# Altium PCB gpn-badge.PcbDoc (part 2 of 2)
Units mm, origin at the board's own origin, x right, y up, seen from the top; angles counter-clockwise.
Board outline 33.25 x 158.25 mm, 2 copper layers (Top Layer, Bottom Layer), stack 1.571 mm thick; 99 components, 87 nets, 437 pads, 266 vias.
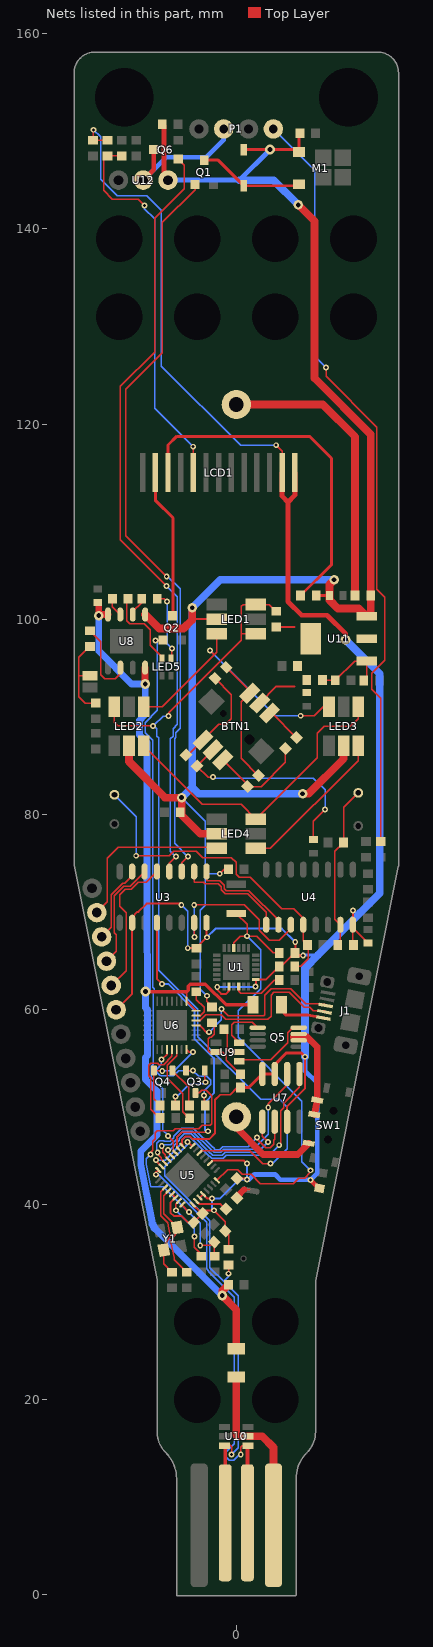
[diagram p2: the nets of this part, all layers, seen from the top]

## Via types
v1: diameter 0.6, hole 0.3, Top Layer to Bottom Layer, 222 vias
v2: diameter 0.5, hole 0.3, Top Layer to Bottom Layer, 33 vias
v3: diameter 1, hole 0.5, Top Layer to Bottom Layer, 11 vias

## Nets (pads, with @x,y where several pads share a name; then routed paths per layer and width w, separated by ;. In a path a pad name is that pad's centre, name@x,y a point inside that pad or via, vN(x,y) a via of type N, cw(c..) or ccw(c..) an arc to the next point about the centre after c; other vN are vias at no path point) (continued)
LATCH: U3.12 U5.18 | length 29.7
  Top Layer w0.2: U3.12@-8.135,68.875 -8.135,63.135 v1(-7.6,62.6) ; U5.18@-5.884,45.652 -6.1,45.868 -6.1,46.9 -5.6,47.4 -3,47.4 v1(-2.9,47.5)
  Bottom Layer w0.2: v1(-7.6,62.6) -7,62.6 -4.3,59.9 -4.3,57 -2.3,55 -2.3,51.4 -3.2,50.5 -3.2,47.6 -2.8,47.6 v1(-2.9,47.5)
LCD_PWM: Q2.1 U5.19 | length 55.5
  Top Layer w0.15: v1(-8.3,97.8) -7.635,97.8 -7.599,97.765 Q2.1@-7.503,97.861 ; v1(-7,47) -6.485,46.485 -6.485,45.546 U5.19@-6.237,45.298
  Bottom Layer w0.15: v1(-8.3,97.8) -8.1,97.6 -8.1,90.654 -9.359,89.394 -9.359,88.37 -8.561,87.572 -8.561,69.944 -8.543,69.926 -8.543,62.24 -8.4,62.097 -8.4,61.905 -8.518,61.787 -8.518,54.363 -8.72,54.162 -8.72,53.043 -7.54,51.864 -7.54,47.622 -7,47.081 v1(-7,47)
LDRSNS: C9.2 R9.1 R13.2 U4.15 | length 16.9
  Top Layer w0.15: R9.1@10.4,66.6 10.675,66.875 U4.15@10.675,68.675 10.1,69.25 10.1,76.2 C9.2@11,77.1 11,80.7 R13.2@12.5,82.2
MPU_CS: BTN2.1 R37.2 U1.22 U5.8 | length 48.9
  Top Layer w0.15: U5.8@-1.995,42.47 -0.902,43.562 0.124,43.562 0.615,43.071 1.512,43.071 2.477,42.106 5.816,42.106 6.416,42.706 6.999,42.706 7.6,43.307 v1(7.6,43.5) ; U1.22@-0.25,66.288 -0.25,66.85 0.4,67.5 v1(1.1,67.5) ; BTN2.1@0,69.825 1.1,68.725 v1(1.1,67.5) ; R37.2@4.407,65.786 3.81,65.786 2.096,67.5 v1(1.1,67.5)
  Bottom Layer w0.15: v1(1.1,67.5) 2.481,66.119 2.481,62.114 0.2,59.833 0.2,57.121 6.719,50.602 6.719,44.381 v1(7.6,43.5)
MQ3: P1.4 R14.2 | length 78.7
  Top Layer w0.15: v1(9.195,125.781) 9.2,125.776 9.2,124.9 14.404,119.696 14.404,117.229 14.4,117.224 14.4,103.06 15.24,102.22 15.24,95.772 13.9,94.432 13.9,92.8 14.8,91.9 R14.2@14.8,77.2
  Bottom Layer w0.15: P1.4@3.79,150.25 8.026,146.014 8.026,126.949 v1(9.195,125.781)
MQ3_EN: Q6.1 U3.4 | length 79.2
  Top Layer w0.15: v1(-7.163,103.403) -11.887,108.128 -11.887,123.85 -8.382,127.356 -8.382,141.097 -5.334,144.145 -5.334,146.553 Q6.1@-5.964,147.183 ; U3.4@-6.865,74.125 -6.865,74.999 v1(-6.198,75.667)
  Bottom Layer w0.15: v1(-7.163,103.403) -6.075,102.316 -6.075,89.2 -6.49,88.785 -6.49,87.999 -6.752,87.738 -6.752,76.221 v1(-6.198,75.667)
NetANT1_1: C14.2 | length 1.5
  Top Layer w0.2: 0.836,41.536 1.372,41.536
  Top Layer w0.635: C14.2@0.166,40.866 0.836,41.536
NetB1_1: B1.1 R34.1 | length 29.8
  Top Layer w0.8: B1.1@0,122 8.861,122 12.179,118.681 R34.1@12.179,102.413
NetB1_2: B1.2 SW1.1 | length 10.2
  Top Layer w0.7: B1.2@0,48.98 0,47.865 2.729,45.136 6.298,45.136 SW1.1@7.439,46.277
NetBTN1_1: BTN1.1 R1.2 R2.1 | length 11
  Top Layer w0.15: R2.1@-5.166,86.066 -4.957,86.066 BTN1.1@-3.408,87.614 -1.822,89.2 -1.1,89.2 -0.5,89.8 -0.5,92.269 R1.2@-2.166,93.934
NetBTN1_2: BTN1.2 R2.2 R7.2 | length 22.1
  Top Layer w0.15: v1(-2.4,83.8) -2.9,83.8 R2.2@-4.034,84.934 -2.397,86.572 BTN1.2@-2.397,86.603 ; R7.2@7.9,77.4 7.9,79.3 v1(9.1,80.5)
  Bottom Layer w0.15: v1(-2.4,83.8) -2.3,83.7 7.9,83.7 9.1,82.5 v1(9.1,80.5)
NetBTN1_3: BTN1.3 R5.2 R6.2 | length 10.1
  Top Layer w0.15: BTN1.3@-1.386,85.592 1.134,83.072 R5.2@1.134,82.834 2.534,82.834 5.034,85.334 R6.2@5.034,86.734
NetBTN1_4: BTN1.4 R1.1 R5.1 | length 13.2
  Top Layer w0.15: R1.1@-1.034,95.066 1.386,92.645 BTN1.4@1.386,92.408 0.5,91.522 0.5,85.731 R5.1@2.266,83.966
NetBTN1_6: BTN1.6 R6.1 | length 3.8
  Top Layer w0.15: BTN1.6@3.408,90.386 3.645,90.386 R6.1@6.166,87.866
NetC5_2: C5.2 U1.10 | length 5.3
  Top Layer w0.15: U1.10@0.25,62.338 0.25,61.85 0.454,61.646 2.546,61.646 3.9,63 C5.2@4.4,63
NetC6_2: C6.2 LCD1.9 R3.2 | length 39.5
  Top Layer w0.15: C6.2@-11.684,147.485 C6.2@-11.735,147.485 R3.2@-13.208,147.485 -13.589,147.104 -13.589,143.942 -12.7,143.053 -10.058,143.053 v1(-9.423,142.418) ; v1(-4.42,117.678) -4.4,117.659 LCD1.9@-4.4,115
  Bottom Layer w0.15: v1(-9.423,142.418) -9.423,142.062 -8.382,141.021 -8.382,121.641 v1(-4.42,117.678)
NetC14_1: C14.1 U5.2 | length 3.2
  Top Layer w0.15: U5.2@-4.116,40.348 U5.2@-3.868,40.1
  Top Layer w0.2: U5.2@-3.868,40.1 -3.818,40.05 -1.65,40.05 -1.434,39.834 C14.1@-1.166,39.834
NetC15_2: C15.2 U5.27 Y1.1 | length 9.7
  Top Layer w0.15: U5.27@-7.298,41.763 -7.747,41.314 -7.747,38.837 -7.053,38.142 -6.771,36.76 -7.239,36.017 -7.214,35.89 Y1.1@-7.443,35.347 -7.443,33.897 C15.2@-6.604,33.058
NetC17_2: C17.2 U6.6 | length 3.4
  Top Layer w0.15: U6.6@-4.129,59.355 -3.713,59.355 -3.3,59.768 -3.3,60.2 -4.1,61 C17.2@-4.1,61.8
NetC19_2: C19.2 U5.28 Y1.3 | length 9.9
  Top Layer w0.15: U5.28@-6.945,41.409 -7.442,40.911 -7.442,39.038 Y1.3@-6.057,37.653 -5.988,37.365 -6.716,36.18 -6.35,34.544 -6.35,34.328 C19.2@-5.08,33.058
NetC28_2: C28.2 R27.1 U9.5 | length 7.8
  Top Layer w0.15: R27.1@-2.388,58.661 -2.269,58.543 -2.269,57.441 -2.584,57.126 -2.732,57.126 -2.864,56.994 -2.864,55.772 -2.718,55.626 U9.5@-2.089,55.626 -1.397,55.626 -1.016,55.245 -1.016,54.762 0.406,53.34 C28.2@0.419,53.34
NetC32_2: C32.2 R32.2 R33.2 U11.1 | length 7.5
  Top Layer w0.15: R32.2@8.826,93.751 10.122,93.751 C32.2@10.147,93.726 12.121,95.7 U11.1@13.35,95.7 13.35,93.982 R33.2@13.068,93.701
NetD1_1: D1.1 M1.2 Q1.3 | length 10.8
  Top Layer w0.3: Q1.3@-3.277,147.046 -1.855,147.046 D1.1@0.762,144.429 6.276,144.429 M1.2@6.426,144.579
NetJ1_1: J1.1 R26.1 | length 4.4
  Top Layer w0.3: R26.1@4.676,59.817 5.057,59.436 7.366,59.436 J1.1@8.916,59.11
NetJ2_1: pad.8@-15,94.2 R28.1 R29.2 | length 8.6
  Top Layer w0.15: pad.8@-15,94.2 -16.129,94.2 ; R28.1@-15,97.2 -16.129,96.071 -16.129,94.2 ; R29.2@-14.6,91.4 -15.5,91.4 -16.129,92.029 -16.129,94.2
NetLCD1_11: LCD1.11 R4.1 | length 36.3
  Top Layer w0.3: LCD1.11@-7,115 -7,117.841 -6.096,118.745 7.493,118.745 9.754,116.484 9.754,105.575 R4.1@6.591,102.413
NetLCD1_12: LCD1.12 Q2.3 | length 15.4
  Top Layer w0.3: LCD1.12@-8.3,115 -8.3,112.186 -6.5,110.386 -6.5,100.414 Q2.3@-6.553,100.361
NetLED1_3: LED1.3 LED2.4 LED3.6 | length 27.7
  Top Layer w0.15: LED2.4@-9.5,91 -7.6,91 -2.2,96.4 ; v1(-2.7,96.8) -2.3,96.4 -2.2,96.4 ; LED1.3@-2,98.5 -2,96.6 -2.2,96.4 ; v1(6.6,90.1) 8,90.1 8.9,91 LED3.6@9.5,91
  Bottom Layer w0.15: v1(-2.7,96.8) 4,90.1 v1(6.6,90.1)
NetLED2_3: LED2.3 LED3.4 LED4.6 | length 32
  Top Layer w0.15: LED2.3@-9.5,87 -3.5,81 0.5,81 LED4.6@2,79.5 8.3,85.8 8.3,88.3 9,89 11.7,89 12.5,89.8 LED3.4@12.5,91
NetLED3_3: LED3.3 LED4.4 | length 15.7
  Top Layer w0.15: LED4.4@2,76.5 3.5,76.5 12.5,85.5 LED3.3@12.5,87
NetLED5_1: LED5.1 R35.1 | length 8.6
  Top Layer w0.15: R35.1@-11.1,102.1 -11.252,101.948 -11.252,99.852 -10.925,99.525 -9.425,99.525 -8.825,98.925 -8.825,97.313 -7.6,96.088 LED5.1@-7.6,96
NetLED5_3: LED5.3 R36.1 | length 7.2
  Top Layer w0.15: R36.1@-8.1,102.1 -7.4,102.1 v1(-7.1,101.8) ; LED5.3@-6.7,96 -6.6,96.1 v1(-6.6,97)
  Bottom Layer w0.15: v1(-7.1,101.8) -7.1,97.5 v1(-6.6,97)
NetP1_2: P1.2 Q6.3 U12.2 | length 14.9
  Top Layer w0.5: U12.2@-9.54,145 -8.464,146.076 Q6.3@-8.464,148.133
  Bottom Layer w0.5: U12.2@-9.54,145 -7.195,147.345 -3.073,147.345 -1.29,149.129 P1.2@-1.29,150.25 P1.2@-1.29,150.5
NetQ3_1: Q3.1 R15.2 | length 6.3
  Top Layer w0.15: R15.2@-6.312,49.911 -6.312,50.089 -6.045,50.356 -6.248,50.559 v1(-6.248,51.079) ; Q3.1@-3.241,53.728 -3.241,52.619 v1(-3.15,52.527)
  Bottom Layer w0.15: v1(-6.248,51.079) -6.071,51.079 -4.775,52.375 -3.302,52.375 v1(-3.15,52.527)
NetQ3_2: Q3.2 R16.1 U6.24 | length 12.9
  Top Layer w0.15: v1(-7.671,54.864) -7.645,54.864 -7.104,55.405 U6.24@-7.104,55.88 ; Q3.2@-5.141,53.728 -5.134,53.721 v1(-4.445,53.721) ; v1(-3.302,51.181) -3.264,51.143 R16.1@-3.264,49.911
  Bottom Layer w0.15: v1(-7.671,54.864) -7.671,54.362 -8.12,53.913 -8.12,53.478 -7.812,53.171 -6.476,53.171 -5.926,53.721 v1(-4.445,53.721) -3.861,53.137 -3.017,53.137 -2.625,52.745 -2.625,52.31 -3.302,51.632 v1(-3.302,51.181)
NetQ4_1: Q4.1 R16.2 | length 4.5
  Top Layer w0.15: Q4.1@-6.543,53.728 -4.864,52.049 R16.2@-4.864,49.911
NetQ4_2: Q4.2 R15.1 U6.28 | length 9.6
  Top Layer w0.15: R15.1@-7.912,49.911 -7.912,50.279 -8.443,50.81 Q4.2@-8.443,53.728 -7.627,53.728 v1(-7.595,53.696) ; U6.28@-5.104,55.88 -4.85,55.626 v1(-4.445,55.626)
  Bottom Layer w0.15: v1(-7.595,53.696) -6.375,53.696 v1(-4.445,55.626)
NetQ5_2: Q5.2 Q5.3 SW1.2 SW1.3 | length 9.8
  Top Layer w0.7: 5.842,57.175 7.264,57.175 8.298,56.142 SW1.3@8.298,50.694 SW1.2@8.011,49.221
NetQ5_4: Q5.4 U9.1 | length 8.9
  Top Layer w0.15: U9.1@-0.173,54.824 U9.1@0.311,54.824 ; U9.1@0.311,54.676 U9.1@0.311,54.824 ; U9.1@0.527,54.824 U9.1@0.311,54.824 ; Q5.4@6.393,58.125 5.781,58.125 5.267,57.611 5.267,56.575 3.544,54.852 0.311,54.852 U9.1@0.311,54.824
NetQ5_5: Q5.5 U9.3 | length 5.2
  Top Layer w0.15: U9.3@0.311,56.576 -0.457,57.344 -0.457,58.431 -0.2,58.688 1.63,58.688 Q5.5@2.193,58.125
NetR17_1: R17.1 U6.26 | length 8.7
  Top Layer w0.15: U6.26@-6.104,55.88 -6.104,55.241 -7.068,54.277 -7.068,52.921 -5.486,51.339 -5.486,49.479 -4.864,48.857 R17.1@-4.864,48.469
NetR18_1: R18.1 U6.25 | length 9.8
  Top Layer w0.15: R18.1@-7.887,48.489 -7.887,48.908 -8.763,49.784 -8.763,52.974 -8.968,53.179 -8.968,54.277 -8.792,54.453 -8.078,54.453 -7.964,54.339 -7.453,54.339 -6.604,55.188 U6.25@-6.604,55.88
NetR19_1: R19.1 U5.31 | length 6.9
  Top Layer w0.15: v1(-6.2,39.4) -6.2,40.032 U5.31@-5.884,40.348 ; v1(-4.3,36.7) -4.3,35.618 -3.6,34.918 R19.1@-3.6,34.7
  Bottom Layer w0.15: v1(-6.2,39.4) -4.3,37.5 v1(-4.3,36.7)
NetR28_2: R28.2 U8.2 | length 8
  Top Layer w0.15: R28.2@-15,98.8 -13.9,97.7 -13.9,94.3 -13.5,93.9 -12.4,93.9 -11.885,94.415 U8.2@-11.885,95.025
NetR30_2: R30.2 U9.2 | length 3.6
  Top Layer w0.15: R30.2@-0.927,58.166 -0.927,55.918 -0.635,55.626 U9.2@0.311,55.626
NetR31_1: pad.4@3.81,7.112 R31.1 U10.5 | length 18.3
  Top Layer w0.8: R31.1@0,22.3 0,16.356 0.125,16.231 U10.5@1.2,16.231 2.667,16.231 3.81,15.088 pad.4@3.81,7.112
NetR35_2: R35.2 U8.7 | length 2
  Top Layer w0.15: R35.2@-12.7,102.1 -12.7,101.29 U8.7@-11.885,100.475
NetR36_2: R36.2 U8.6 | length 2
  Top Layer w0.15: U8.6@-10.615,100.475 -10.615,100.785 -9.7,101.7 R36.2@-9.7,102.1
NetU3_1: U3.1 U4.10 | length 10.6
  Top Layer w0.15: U3.1@-3.055,74.125 -3.055,73.19 -1.716,73.19 -1.232,72.706 -1.232,72.364 -1.017,72.148 1.294,72.148 4.325,69.117 U4.10@4.325,68.675
NetU3_2: U3.2 U4.9 | length 11.2
  Top Layer w0.15: U3.2@-4.325,74.125 -4.325,73.059 -4.285,73.02 -3.345,73.02 -3.215,72.89 -1.84,72.89 -1.532,72.582 -1.532,72.24 -1.141,71.848 1.169,71.848 3.055,69.962 U4.9@3.055,68.675
NetU3_15: U3.15 U4.11 | length 17.7
  Top Layer w0.15: U3.15@-4.325,68.875 -4.3,68.85 v1(-4.3,67.4) ; v1(-4.318,70.714) 0.804,70.714 2.337,69.181 2.337,68.115 3.352,67.1 4.413,67.1 5.595,68.282 U4.11@5.595,68.675
  Bottom Layer w0.15: v1(-4.318,70.714) -4.3,70.696 v1(-4.3,67.4)
NetU5_20: U5.20 U7.1 | length 15.6
  Top Layer w0.15: v1(-7.01,45.568) -7.01,45.364 U5.20@-6.591,44.945 ; U7.1@2.667,48.477 2.667,46.99 v1(3.251,46.406)
  Bottom Layer w0.15: v1(-7.01,45.568) -6.841,45.568 -5.825,46.584 -5.825,46.742 -5.342,47.225 -4.64,47.225 -2.667,45.252 -2.621,45.252 -2.396,45.027 -1.464,45.027 -1.158,45.333 2.179,45.333 v1(3.251,46.406)
NetU5_21: U5.21 U7.6 | length 22
  Top Layer w0.15: v1(-7.645,45.999) -7.535,45.889 -7.535,45.35 -7.26,45.074 -7.26,44.906 -7.193,44.84 U5.21@-6.945,44.591 ; v1(3.277,49.936) 3.277,50.343 5.207,52.273 U7.6@5.207,53.377
  Bottom Layer w0.15: v1(-7.645,45.999) -7.55,46.095 -6.739,46.095 -6.125,46.708 -6.125,46.866 -5.466,47.525 -4.516,47.525 -2.543,45.552 -2.497,45.552 -2.272,45.327 -1.589,45.327 -1.282,45.633 1.717,45.633 3.277,47.193 v1(3.277,49.936)
NetU5_22: U5.22 U7.2 | length 19.9
  Top Layer w0.15: v1(-8.06,45.327) -8.06,45.077 -8.012,45.077 -7.705,44.769 -7.705,44.644 U5.22@-7.298,44.237 ; v1(2.134,46.863) 2.134,46.66 2.997,45.796 3.48,45.796 3.835,46.152 3.835,46.584 3.937,46.685 U7.2@3.937,48.477
  Bottom Layer w0.15: v1@-7.942,45.446 v1(-8.06,45.327) -8.17,45.437 -8.17,46.248 -7.894,46.524 -7.428,46.524 -7.378,46.475 -6.783,46.475 -6.425,46.832 -6.425,46.99 -5.59,47.825 -4.392,47.825 -2.419,45.852 -2.373,45.852 -2.148,45.627 -1.713,45.627 -1.407,45.933 1.204,45.933 v1(2.134,46.863)
NetU5_23: U5.23 U7.5 | length 24.5
  Top Layer w0.15: v1(-8.23,44.552) -8.319,44.552 U5.23@-7.652,43.884 ; v1(4.394,46.076) 4.572,46.253 4.572,49.606 4.877,49.911 4.877,50.394 6.477,51.994 U7.5@6.477,53.377
  Bottom Layer w0.15: v1(-8.23,44.552) -7.284,44.552 -5.525,46.311 -5.525,46.617 -5.217,46.925 -4.765,46.925 -2.791,44.952 -2.746,44.952 -2.521,44.727 -1.34,44.727 -1.034,45.033 3.352,45.033 v1(4.394,46.076)
NRST: C25.2 Q3.3 R24.2 U5.32 | length 30
  Top Layer w0.15: v1(-8.814,45.11) -8.814,45.316 -8.582,45.548 -8.582,46.46 -8.311,46.731 -8.311,47.341 -8.107,47.545 -6.489,47.545 -6.256,47.777 -3.835,47.777 -3.502,48.11 -2.648,48.11 -2.509,48.249 -2.509,51.131 -3.085,51.706 -3.519,51.706 -3.797,51.428 Q3.3@-4.191,51.428 ; U5.32@-5.53,39.995 -5.53,39.897 v1(-4.851,39.218) ; v1(-3.7,35.8) -2.6,35.8 R24.2@-2.266,36.134 -2.266,34.766 C25.2@-2.2,34.7
  Bottom Layer w0.15: v1(-8.814,45.11) -9.222,44.702 -9.222,44.12 -8.763,41.834 -7.468,41.834 v1(-4.851,39.218) -3.7,38.066 v1(-3.7,35.8)
NTCSNS: C10.2 R10.1 R11.2 U4.12 | length 34.1
  Top Layer w0.15: v1(-10.262,75.743) -6.864,75.743 -6.415,76.192 -4.092,76.192 -3.465,75.565 -0.508,75.565 0,75.057 0,73.838 0.305,73.533 1.405,73.533 4.638,70.3 5.9,70.3 6.865,69.335 U4.12@6.865,68.675 6.865,67.035 C10.2@7.3,66.6 7.383,66.517 7.383,65.193 6.59,64.4 R10.1@6,64.4
  Bottom Layer w0.15: R11.2@-12.5,82 -10.262,79.762 v1(-10.262,75.743)
OUT1: pad.1@-12.815,62.448 U3.5 | length 15
  Top Layer w0.15: pad.1@-12.815,62.448 -11.303,63.96 -11.303,69.926 -11.963,70.587 -11.963,71.755 -11.405,72.314 -10.772,72.314 -10.066,73.02 -9.232,73.02 -8.855,73.397 -8.855,73.405 U3.5@-8.135,74.125
OUT2: pad.1@-13.309,64.939 U3.6 | length 11.4
  Top Layer w0.15: pad.1@-13.309,64.939 -12.3,65.948 -12.3,67.661 -12.495,67.856 -12.495,71.648 -11.529,72.614 -10.896,72.614 -9.385,74.125 U3.6@-9.405,74.125
OUT3: pad.1@-13.802,67.431 U3.7 | length 8.1
  Top Layer w0.15: pad.1@-13.802,67.431 -12.795,68.438 -12.795,71.772 -11.653,72.914 -11.456,72.914 -10.675,73.695 U3.7@-10.675,74.125
SER_N: J1.2 U6.5 | length 16.9
  Top Layer w0.15: U6.5@-4.129,58.855 -3.731,58.855 -3.15,59.436 -1.54,59.436 -1.54,59.426 -1.093,58.979 -0.465,58.979 -0.456,58.988 3.235,58.988 3.556,59.309 3.556,61.468 3.841,61.753 5.443,61.753 6.967,60.229 7.513,60.229 7.903,59.839 9.04,59.839 J1.2@9.04,59.748
SER_P: J1.3 U6.4 | length 18.9
  Top Layer w0.15: U6.4@-4.129,58.355 -3.745,58.355 -2.861,57.471 -2.812,57.471 -2.794,57.488 v1(-2.794,57.658) ; v1(-1.524,60.046) -0.805,59.327 2.812,59.327 2.921,59.436 2.921,61.468 3.556,62.103 5.588,62.103 7.112,60.579 8.673,60.579 8.673,60.498 9.053,60.498 J1.3@9.164,60.386
  Bottom Layer w0.15: v1(-2.794,57.658) -1.524,58.928 v1(-1.524,60.046)
USB_N: pad.2 R20.1 U5.16 U10.3 | length 48.4
  Top Layer w0.15: v1(-5,46.4) -4.947,46.4 -4.552,46.005 U5.16@-4.47,46.005 ; U10.3@-1.143,15.291 -0.635,15.291 -0.483,15.138 v1(-0.483,14.376) ; v1(-0.8,32.9) R20.1@-0.8,33.8
  Top Layer w0.381: pad.2@-1.143,7.366 U10.3@-1.143,15.291
  Bottom Layer w0.15: v1(-5,46.4) -5,46.199 -4.978,46.177 -7.315,43.84 -7.315,42.919 -2.7,38.304 -2.7,33.536 -1.3,32.136 ; v1(-0.8,32.9) -0.8,32.636 -1.3,32.136 ; v1(-0.483,14.376) 0.203,15.062 0.203,30.632 -1.3,32.136
USB_P: pad.3 U5.24 U10.4 | length 45
  Top Layer w0.15: v1(-8.237,43.051) -8.237,43.185 -8.294,43.241 U5.24@-8.005,43.53 ; v1(0.457,14.376) 0.457,15.113 0.61,15.265 U10.4@1.143,15.265
  Top Layer w0.381: pad.3@1.143,7.366 U10.4@1.143,15.265
  Bottom Layer w0.15: v1(-8.237,43.051) -8.237,42.87 -7.999,43.108 -3.05,38.159 -3.05,33.391 -2.8,33.141 -2.8,33.102 -0.203,30.505 -0.203,15.469 -1.058,14.615 -1.058,14.138 -0.721,13.801 -0.244,13.801 0.331,14.376 v1(0.457,14.376)
VBAT: C1.2 C27.2 C29.2 C30.2 D1.2 LED1.2 LED2.2 LED3.2 LED4.2 M1.1 R4.2 R12.2 R27.2 R34.2 U8.5 U11.3 U12.1 | length 190.5
  Top Layer w0.15: v1(-3.023,61.392) -3.023,60.823 -2.461,60.261 R27.2@-2.362,60.261 ; v1(-1.7,73.9) -1.229,74.371 R12.2@-0.8,74.371
  Top Layer w0.2: -4.521,99.924 -4.445,100 LED1.2@-2,100
  Top Layer w0.3: D1.2@0.762,148.129 6.176,148.129 M1.1@6.426,147.879 6.426,149.72 C29.2@6.515,149.809 ; R4.2@8.191,102.413 9.449,102.413 C27.2@9.55,102.514
  Top Layer w0.5: C30.2@-7.582,150.724 -7.417,150.559 -7.417,145.417 U12.1@-7,145
  Top Layer w0.8: LED2.2@-11,87 -11,85.4 -7.3,81.7 v3(-5.6,81.7) -5.6,79.9 -3.7,78 LED4.2@-2,78 ; U8.5@-9.345,100.475 -7.905,99.035 -5.41,99.035 -4.521,99.924 v3(-4.521,101.168) ; v3(6.35,142.469) 8.026,140.792 8.026,124.689 13.779,118.936 13.779,117.488 13.775,117.483 13.775,102.417 R34.2@13.779,102.413 13.779,100.729 U11.3@13.35,100.3 12.558,101.092 10.414,101.092 9.55,101.956 9.55,102.514 9.55,103.556 v3(10.033,104.038) ; v3(6.8,82.1) 7.4,82.1 11,85.7 LED3.2@11,87
  Bottom Layer w0.15: v3(-5.6,81.7) -3.2,79.3 -3.2,73.9 ; v1(-3.023,61.392) -3.695,62.064 -3.695,70.18 -3.2,70.675 -3.2,73.9 ; v1(-1.7,73.9) -3.2,73.9
  Bottom Layer w0.5: U12.1@-7,145 0.322,145 v3(3.454,148.133)
  Bottom Layer w0.8: v3(-5.6,81.7) -4.521,82.779 ; 0.322,145 3.819,145 v3(6.35,142.469) ; v3(6.8,82.1) -3.842,82.1 -4.521,82.779 ; v3(10.033,104.038) -1.651,104.038 v3(-4.521,101.168) -4.521,82.779
VBUS: C16.2 C26.2 R26.2 R31.2 U6.7 U6.8 U8.4 U8.8 | length 103.9
  Top Layer w0.15: -5.182,61.824 -5.131,61.773 -5.104,61.746 U6.8@-5.104,60.83 U6.7@-4.129,59.855
  Top Layer w0.35: v3(-9.296,61.824) -5.182,61.824 ; -5.131,61.773 -4.925,61.979 -4.925,62.385 -4.735,62.575 -3.17,62.575 -1.047,60.452 R26.2@1.725,60.452
  Top Layer w0.7: C26.2@-14.2,101.7 -14.097,101.597 v3(-14.097,100.355) -13.977,100.475 U8.8@-13.155,100.475 ; U8.4@-9.345,95.025 -9.345,93.368 v3(-9.334,93.358)
  Top Layer w0.8: C16.2@-0.8,31.775 -1.448,31.128 v3(-1.448,30.658) 0,29.21 R31.2@0,25.2
  Bottom Layer w0.7: v3(-14.097,100.355) -14.097,96.723 -10.731,93.358 v3(-9.334,93.358) -9.334,90.232 -9.934,89.632 -9.934,88.132 -9.148,87.346 -9.148,69.513 -9.12,62.002 v3(-9.296,61.824) -9.296,60.172 -9.094,59.969 -9.094,59.367 -9.093,55.262 -9.295,55.059 -9.295,52.805 -8.115,51.626 -8.115,47.116 -9.804,45.427 -9.804,44.094 -8.585,37.998 ; -8.382,37.592 v3(-1.448,30.658)
  Bottom Layer w0.8: -8.585,37.998 -8.382,37.592
VDD3: BTN1.5 C12.2 C13.2 C18.2 C20.2 C21.2 C22.2 C23.2 C33.2 LCD1.1 LCD1.2 pad.1@-12.322,59.956 R3.1 R9.2 R10.2 R20.2 R21.1 R22.1 R23.1 R24.1 R32.1 R37.1 U1.8 U1.13 U3.10 U3.16 U4.16 U5.1 U5.3 U5.4 U5.11 U5.17 U5.29 U5.30 U7.3 U7.7 U7.8 U11.2 U11.4 | length 260.9
  Top Layer w0.15: R21.1@-14.681,149.085 R21.1@-14.656,149.111 ; v1(-14.656,150.165) R21.1@-14.656,149.111 ; R3.1@-13.208,149.085 -14.63,149.085 R21.1@-14.656,149.111 ; R24.1@-1.134,37.266 -0.8,36.931 R20.2@-0.8,35.4 ; v1(4.089,117.831) 4.7,117.22 LCD1.2@4.7,115 ; R10.2@4.4,64.4 R10.2@4.621,64.4 ; U4.16@11.945,68.356 11.945,66.655 R9.2@12,66.6
  Top Layer w0.2: pad.1@-12.322,59.956 -10.675,61.603 U3.10@-10.675,68.875 -10.675,69.446 -10.135,69.986 -10.034,69.986 -9.188,70.832 -5.757,70.832 v1(-5.639,70.714) ; U5.29@-6.591,41.055 U5.30@-6.237,40.702 -6.75,40.189 -6.75,39.172 -6.378,38.8 -5.6,38.8 -4.966,38.166 C22.2@-4.366,38.166 -3.6,38.931 C20.2@-3.6,39.066 ; U5.17@-5.53,46.005 -5.528,46.007 -5.528,46.151 -5.55,46.172 -5.55,46.637 -5.206,46.981 -4.751,46.981 -4.471,46.702 -2.769,46.702 -2.184,47.286 -2.184,50.724 -1.664,51.244 -0.627,51.244 0.123,51.994 C23.2@0.419,51.994 ; v1(-4.978,66.269) -4.14,66.269 v1(-3.023,67.386) -3.055,67.419 U3.16@-3.055,68.875 ; U5.1@-4.47,39.995 C20.2@-3.6,39.125 ; U5.3@-3.763,40.702 U5.4@-3.409,41.055 -2.954,40.6 v1(-2.5,40.6) ; C20.2@-3.466,39.066 -3.131,39.4 v1(-2.3,39.4) -1.134,38.234 R24.1@-1.134,37.266 ; U5.11@-2.702,44.237 -2.439,44.5 0.788,44.5 v1(1.092,44.196) ; v1(-1.956,62.281) -1.956,62.001 -1.549,61.595 -1.039,61.595 -0.75,61.884 U1.8@-0.75,62.338 ; R23.1@0.066,42.666 0.972,42.666 v1(1.092,42.545) ; v1(1.956,62.332) 2,62.376 U1.13@2,63.063 3.063,63.063 R10.2@4.4,64.4 ; BTN1.5@2.397,91.397 4.1,93.1 5.985,93.1 ; R22.1@4.1,99.2 5.981,99.2 ; R10.2@4.621,64.4 R37.1@6.007,65.786 6.045,65.824 v1(6.045,66.904) ; U7.3@5.207,48.477 5.207,50.063 7.061,51.918 7.061,55.118 v1(7.036,55.143) ; v1(11.963,70.129) 11.963,68.693 U4.16@11.945,68.675 11.945,68.356 C21.2@13.513,66.788
  Top Layer w0.3: C23.2@0.419,51.994 1.284,51.994 U7.8@2.667,53.377 U7.7@3.937,53.377 3.937,54.331 5.147,55.54 6.639,55.54 v1(7.036,55.143) ; R37.1@6.261,65.532 v1(6.858,65.532)
  Top Layer w0.5: LCD1.2@4.7,115 4.7,112.6 5.3,112 ; LCD1.1@6,115 6,112.7 5.3,112 ; R37.1@6.007,65.786 R37.1@6.261,65.532 ; v1(7.595,42.52) 8.456,41.658 C13.2@8.534,41.658 ; v3(11.2,97.9) 11.2,98.5 9.3,100.4 6.7,100.4 5.3,101.8 5.3,112
  Bottom Layer w0.15: v1(-14.656,150.165) -13.919,149.428 -13.919,145.107 -12.216,143.404 -9.172,143.404 -7.676,141.907 -7.676,125.938 0.432,117.831 v1(4.089,117.831)
  Bottom Layer w0.2: v1(-5.639,70.714) -4.978,70.053 v1(-4.978,66.269) ; v1(-3.023,67.386) -2.134,68.275 4.674,68.275 v1(6.045,66.904) ; v1(-2.3,39.4) -2.5,39.6 v1(-2.5,40.6) -1.7,40.6 0.245,42.545 v1(1.092,42.545) v1(1.092,44.196) ; v1(-1.956,62.281) 1.905,62.281 v1(1.956,62.332) ; v1(11.963,70.129) 12.23,69.862 12.662,69.862
  Bottom Layer w0.3: v1@6.858,65.583 8.383,65.583
  Bottom Layer w0.5: v1@1.295,42.531 1.843,43.078 3.963,43.078 4.511,42.531 7.621,42.531 8.3,43.21 8.3,52.457 7.036,53.721 v1(7.036,55.143) ; v1(6.858,65.532) v1@6.858,65.583
  Bottom Layer w0.8: v1(7.036,55.143) 7.036,64.236 8.383,65.583 12.662,69.862 14.7,71.9 14.7,94.4 v3(11.2,97.9)
VIBRATOR: Q1.1 U3.3 | length 76.8
  Top Layer w0.15: v1(-7.137,104.369) -11.328,108.56 -11.328,123.546 -7.569,127.305 -7.569,140.665 -4.227,144.008 Q1.1@-4.227,144.546 ; U3.3@-5.595,74.125 -5.595,75.025 v1(-4.953,75.667)
  Bottom Layer w0.15: v1(-7.137,104.369) -7.036,104.369 -5.766,103.099 -5.766,88.798 -6.19,88.374 -6.19,87.875 -6.325,87.74 -6.325,77.039 v1(-4.953,75.667)
WS2813: LED1.4 LED1.6 LED2.6 R22.2 U5.14 | length 87.8
  Top Layer w0.15: LED2.6@-12.5,91 -12.5,89.42 -12.133,89.052 v1(-8.534,89.052) ; v1(-6.934,90.068) -6.934,90.393 0.508,97.835 0.508,98.5 ; U5.14@-3.763,45.298 -3.569,45.491 1.388,45.491 2.692,44.187 v1(3.505,44.187) ; LED1.4@2,98.5 0.508,98.5 ; R22.2@4.1,100.8 3.4,101.5 LED1.6@2,101.5 0.687,101.5 0.508,101.321 0.508,98.5
  Bottom Layer w0.15: v1(-6.934,90.068) -7.493,90.068 -8.461,89.1 -8.14,88.779 -8.14,87.999 -7.961,87.82 -7.961,70.193 -7.943,70.175 -7.943,64.003 -3.937,59.997 -3.937,57.21 2.507,50.766 4.434,50.766 5.219,49.981 5.219,45.707 3.7,44.187 v1(3.505,44.187)
WS_EXPD: LED4.3 pad.1@-14.295,69.923 | length 17.7
  Top Layer w0.15: pad.1@-14.295,69.923 -13.208,71.01 -13.208,75.492 -12.1,76.6 -2.1,76.6 LED4.3@-2,76.5
pads on no net: ?.1 ?.2 BTN1.0 J1.0 J1.4 LCD1.8 LCD1.13 LED1.1 LED2.1 LED3.1 LED4.1 P1.3 Q3.0 Q4.0 Q5.1 Q5.8 SW1. U1.1 U1.2 U1.3 U1.4 U1.5 U1.6 U1.7 U1.12 U1.14 U1.15 U1.16 U1.17 U1.19 U1.20 U1.21 U3.9 U5.5 U6.1 U6.2 U6.9 U6.10 U6.11 U6.12 U6.13 U6.14 U6.15 U6.16 U6.17 U6.18 U6.19 U6.20 U6.21 U6.22 U6.23 U6.27 U9.4 U10.1 U10.6

## Polygon pours and split planes (outlines as drawn)
VDD3 on Top Layer "Multi-Layer-No Net" (solid, remove dead copper, pour order 0): 13.132,101.143 14.986,99.289 14.986,97.409 14.478,96.901 12.573,96.901 10.414,94.742 8.255,94.742 8.127,94.614 8.127,92.201 7.874,91.948 6.096,91.948 5.715,92.329 5.715,97.028 5.715,101.219 6.096,101.6 9.906,101.6 10.363,101.143
GND on Top Layer "Multi-Layer-No Net" (solid, remove dead copper, pour order 4): -7.849,15.799 -8.001,15.951 -8.001,16.739 -8.001,32.258 -16.51,74.803 -16.51,156.083 cw(c-14.58,156.083) -14.58,158.013 -13.284,158.013 14.478,158.013 cw(c14.478,155.981) 16.51,155.981 16.51,74.778 8.001,32.233 8.001,15.951 7.849,15.799
GND on Bottom Layer "Multi-Layer-No Net" (solid, remove dead copper, pour order 6): -7.849,15.799 -8.001,15.951 -8.001,16.739 -8.001,32.258 -16.51,74.803 -16.51,156.083 cw(c-14.58,156.083) -14.58,158.013 -13.284,158.013 14.478,158.013 cw(c14.478,155.981) 16.51,155.981 16.51,74.778 8.001,32.233 8.001,15.951 7.849,15.799

## Other copper
Top Layer:
  pour cut-out: 10.185,40.589 2.535,42.081 ccw(c2.302,40.885) 1.106,41.117 -0.125,34.784 ccw(c0.922,34.581) 0.718,33.534 0.954,33.488 cw(c-0.532,29.598) 3.359,28.112 ccw(c3.35,29.666) 4.565,28.697 5.258,28.004 8.131,28.004 ccw(c8.329,29.027) 9.352,28.828
Bottom Layer:
  pour cut-out: 10.182,40.585 2.532,42.078 ccw(c2.299,40.881) 1.103,41.113 -0.128,34.78 ccw(c0.919,34.577) 0.715,33.53 0.951,33.484 cw(c-0.535,29.594) 3.356,28.108 ccw(c3.347,29.663) 4.562,28.694 5.255,28.001 8.128,28.001 ccw(c8.326,29.023) 9.349,28.824

## Silkscreen, mask and mechanical layers (free items; w line width, h text height)
Bottom Overlay:
  text "github.com/entropia/gpn17-badge" at 14.427,122.326 h1.52 r90
  text "GND" at -12,90.5 h1
  text "LED" at -12,89 h1
  text "OUT3" at -12,87.5 h1
  text "OUT2" at -12,86 h1
  text "OUT1" at -12,84.5 h1
  text "3V" at -12,83 h1
  text "AIN1" at -12,81.5 h1
  text "AIN2" at -12,80 h1
  text "AIN3" at -12,78.5 h1
  text "RX" at -12,77 h1
  text "TX" at -12,75.5 h1
  text "Designed by:" at 8.3,43.8 h1.52
  text "Jan Henrik" at 7.3,40.9 h1.52
  text "Moritz" at 4.1,38.2 h1.52
  text "Niklas" at 4.1,35.2 h1.52
Top Solder:
  text "GPN17" at -7.036,152.425 h6
  text "1A charging _" at -15.443,84.328 h1.5 r90
Mechanical 1:
  lines w0.254: -8,16.626 -8,32.3 -16.5,74.8 -16.5,155.5 -16.5,156 cw(c-14.5,156) -14.5,158 14.5,158 cw(c14.5,156) 16.5,156 16.5,155.5 16.5,74.7 8,32.2 8,16.702 ; -8,16.702 ccw(c-5.098,16.702) -7.15,14.65 cw(c-9.926,11.874) -6,11.874 -6,0 6,0 6,11.874 cw(c9.926,11.874) 7.15,14.65 ccw(c5.098,16.702) 8,16.702
Mechanical 2:
  lines w0.254: -80,127 80,127 80,143 -80,143 -80,127 ; -40,16 40,16 40,32 -40,32 -40,16

## Text inside footprints (layer, text, board x,y; h text height)
LCD1: Mechanical 13 "Double Side Tape" at -15.103,121.511 h0.8 r90; Mechanical 13 "Double Side Tape" at 15.797,121.511 h0.8 r90; Mechanical 13 "Double Side Tape" at -6.203,141.911 h0.8